# Altium PCB MOTHERBOARD.PcbDoc (part 3 of 4)
Units mm, origin at the board's own origin, x right, y up, seen from the top; angles counter-clockwise.
Board outline 187 x 77 mm, 4 copper layers (Top Copper, Signal Layer 1, Signal Layer 2, Bottom Copper), stack 1.57 mm thick; 275 components, 255 nets, 1182 pads, 1708 vias.
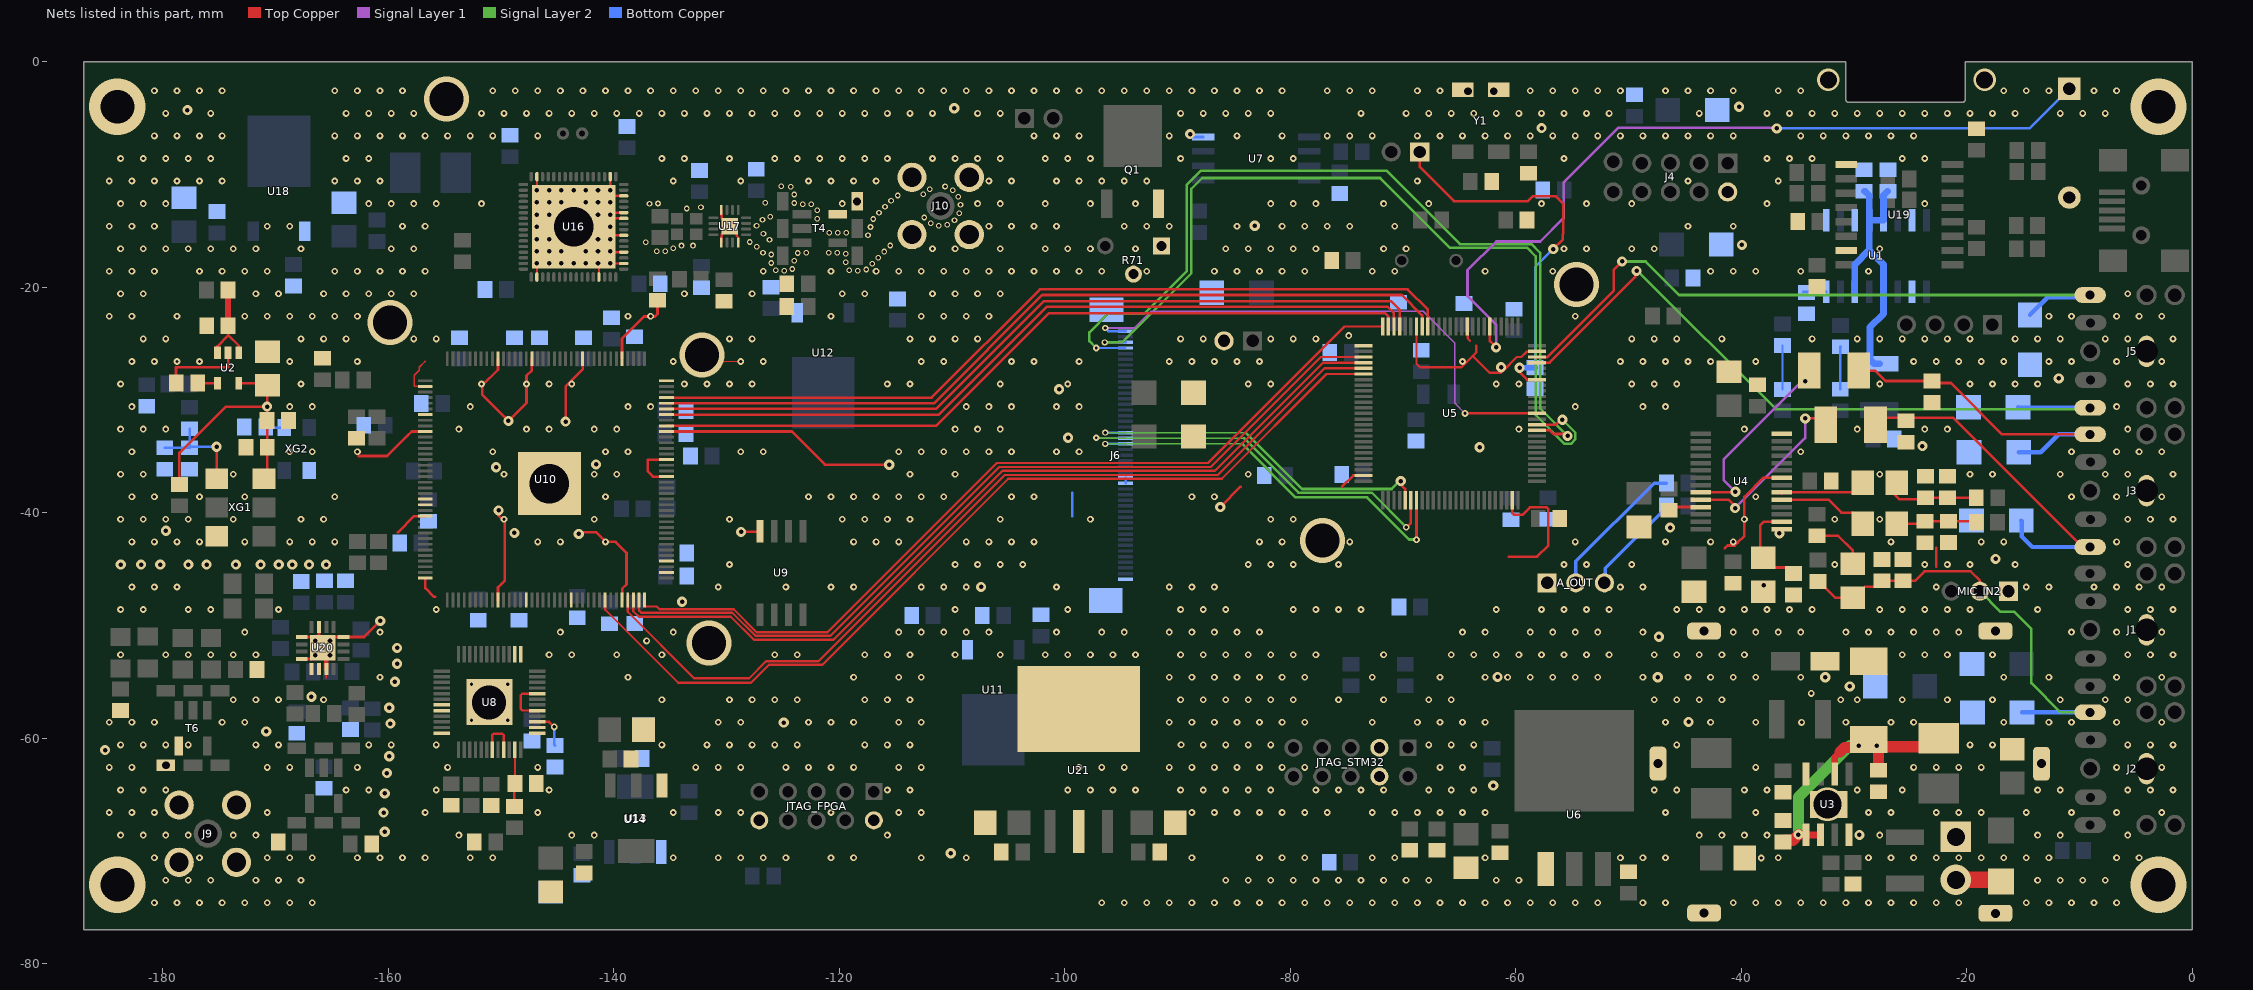
[diagram p5: the nets of this part, all layers, seen from the top]

## Via types
v1: diameter 0.6, hole 0.3, Top Copper to Bottom Copper, tented both sides, 1186 vias
v2: diameter 0.9, hole 0.4, Top Copper to Bottom Copper, tented both sides, 348 vias
v3: diameter 0.5, hole 0.3, Top Copper to Bottom Copper, tented both sides, 73 vias
v4: diameter 0.8, hole 0.4, Top Copper to Bottom Copper, tented both sides, 25 vias
v5: diameter 1, hole 0.7, Top Copper to Bottom Copper, 18 vias
v6: diameter 0.5, hole 0.25, Top Copper to Bottom Copper, tented both sides, 16 vias
v7: diameter 0.55, hole 0.3, Top Copper to Bottom Copper, tented both sides, 13 vias
v8: diameter 0.6, hole 0.25, Top Copper to Bottom Copper, tented both sides, 10 vias
v9: diameter 4, hole 3, Top Copper to Bottom Copper, 6 vias
v10: diameter 5, hole 3, Top Copper to Bottom Copper, 4 vias
v11: diameter 2, hole 1.5, Top Copper to Bottom Copper, 2 vias
v12: diameter 0.7, hole 0.4, Top Copper to Bottom Copper, tented both sides, 2 vias
v13: diameter 3, hole 2.5, Top Copper to Bottom Copper, 1 vias
v14: diameter 3.5, hole 3, Top Copper to Bottom Copper, 1 vias
v15: diameter 0.5, hole 0.2, Top Copper to Bottom Copper, tented both sides, 1 vias
v16: diameter 4, hole 3.5, Top Copper to Bottom Copper, 1 vias
v17: diameter 0.45, hole 0.2, Top Copper to Bottom Copper, tented both sides, 1 vias

## Nets (pads, with @x,y where several pads share a name; then routed paths per layer and width w, separated by ;. In a path a pad name is that pad's centre, name@x,y a point inside that pad or via, vN(x,y) a via of type N, cw(c..) or ccw(c..) an arc to the next point about the centre after c; other vN are vias at no path point) (continued)
FMC_D13: J6.19 U5.55 | length 32.2
  Top Copper w0.23: v2(-70.2,-37.2) -70.2,-37.5 -69.8,-37.9 U5.55@-69.8,-38.9
  Signal Layer 2 w0.15: v7(-96.4,-32.9) -83.95,-32.9
  Signal Layer 2 w0.23: -83.95,-32.9 -78.95,-37.9 -71,-37.9 -70.3,-37.2 v2(-70.2,-37.2)
  Bottom Copper w0.23: v7(-96.4,-32.9) J6.19@-94.6,-32.9
FMC_D14: J6.20 U5.56 | length 35.4
  Top Copper w0.23: v1(-69.7,-41.3) -69.3,-40.9 U5.56@-69.3,-38.9
  Signal Layer 2 w0.15: v8@-96.95,-33.4 -84.1,-33.4
  Signal Layer 2 w0.23: -84.1,-33.4 -79.268,-38.232 -72.768,-38.232 v1(-69.7,-41.3)
  Bottom Copper w0.15: v8@-96.958,-33.392 -96.95,-33.4 J6.20@-94.6,-33.4
  other v8: -97.2,-33.35
FMC_D15: J6.21 U5.57 | length 36.4
  Top Copper w0.23: v1(-68.8,-42.4) U5.57@-68.8,-38.9
  Signal Layer 2 w0.15: v7(-96.4,-33.9) -84.25,-33.9
  Signal Layer 2 w0.23: -84.25,-33.9 -79.513,-38.638 -73.188,-38.638 -69.445,-42.38 -68.82,-42.38 v1(-68.8,-42.4)
  Bottom Copper w0.23: v7(-96.4,-33.9) J6.21@-94.6,-33.9
FMC_NE1: J6.1 U5.88 | length 47.7
  Top Copper w0.23: v1(-64.497,-31.2) U5.88@-58.1,-31.2
  Signal Layer 1 w0.15: v7(-96.4,-23.625) -93.825,-23.625 -92.35,-22.15 -68.215,-22.15 -65.416,-24.949 -65.416,-30.281 v1(-64.497,-31.2)
  Bottom Copper w0.23: v7(-96.4,-23.625) -96.125,-23.9 J6.1@-94.6,-23.9
FMC_NOE: J6.4 U5.85 | length 77.7
  Top Copper w0.23: U5.85@-58.1,-32.7 -56.964,-32.7 -56.641,-33.023 -55.959,-33.023 -55.936,-33 -55.6,-33 v2(-55.4,-33.2)
  Signal Layer 2 w0.23: v8(-97.2,-25.4) -97.815,-24.785 -97.815,-24.006 -96.117,-22.308 -92.883,-22.308 -89.175,-18.6 -89.175,-10.925 -87.925,-9.675 -78.617,-9.675 -71.475,-9.675 -64.958,-16.192 -58.608,-16.192 -57.825,-16.975 -57.825,-30.775 v2(-55.4,-33.2)
  Bottom Copper w0.15: v8@-97.05,-25.4 J6.4@-94.6,-25.4
FMC_NWE: J6.3 U5.86 | length 76.8
  Top Copper w0.23: U5.86@-58.1,-32.2 -56.448,-32.2 -56.009,-31.761 v2(-55.861,-31.761)
  Signal Layer 2 w0.23: v7(-96.45,-24.9) -94.9,-24.9 -88.775,-18.775 -88.775,-11.3 -87.8,-10.325 -72.025,-10.325 -65.826,-16.524 -58.976,-16.524 -58.225,-17.275 -58.225,-31.354 -55.687,-33.892 -55.114,-33.892 -54.708,-33.487 -54.708,-32.913 v2(-55.861,-31.761)
  Bottom Copper w0.23: v7(-96.45,-24.9) J6.3@-94.6,-24.9
FPGA_BUS_D0: U5.22 U10.31 | length 70.8
  Top Copper w0.23: U10.31@-135.3,-30.8 -111.4,-30.8 -101.85,-21.25 -71.05,-21.25 -70.3,-22 U5.22@-70.3,-23.5
FPGA_BUS_D1: U5.23 U10.30 | length 69.9
  Top Copper w0.23: U10.30@-135.3,-31.3 -111.15,-31.3 -101.6,-21.75 -71.35,-21.75 -70.8,-22.3 U5.23@-70.8,-23.5
FPGA_BUS_D2: U5.24 U10.28 | length 69.2
  Top Copper w0.23: U10.28@-135.3,-32.3 -111.4,-32.3 -105.516,-26.416 -101.4,-22.3 -71.6,-22.3 -71.3,-22.6 U5.24@-71.3,-23.5
FPGA_BUS_D3: U5.25 U10.144 | length 78.2
  Top Copper w0.2: U10.144@-137.25,-47.75 -137.25,-48.283 -137.223,-48.31 -136.201,-48.31 -135.938,-48.573 -129.352,-48.573 -127.325,-50.6 -121.025,-50.6 -106.017,-35.592 -87.281,-35.592 -75.189,-23.5 U5.25@-71.8,-23.5
FPGA_BUS_D4: U5.28 U10.143 | length 76.3
  Top Copper w0.2: U10.143@-137.75,-47.75 -137.75,-48.666 -137.541,-48.875 -129.477,-48.875 -127.427,-50.925 -120.775,-50.925 -105.792,-35.942 -87.042,-35.942 -77.3,-26.2 U5.28@-73.5,-26.2
FPGA_BUS_D5: U5.29 U10.142 | length 77
  Top Copper w0.2: U10.142@-138.25,-47.75 -138.25,-48.731 -137.756,-49.225 -129.6,-49.225 -127.55,-51.275 -120.5,-51.275 -105.505,-36.28 -105.492,-36.292 -86.692,-36.292 -86.655,-36.255 -77.1,-26.7 U5.29@-73.5,-26.7
FPGA_BUS_D6: U5.30 U10.141 | length 80.1
  Top Copper w0.2: U10.141@-138.75,-47.75 -138.75,-48.797 -132.872,-54.675 -127.975,-54.675 -126.475,-53.175 -121.825,-53.175 -105.317,-36.667 -86.417,-36.667 -76.95,-27.2 U5.30@-73.5,-27.2
FPGA_BUS_D7: U5.31 U10.137 | length 82.1
  Top Copper w0.2: U10.137@-140.75,-47.75 -140.75,-48.6 -134.275,-55.075 -127.825,-55.075 -126.227,-53.477 -121.477,-53.477 -104.992,-36.992 -86.065,-36.992 -76.773,-27.7 U5.31@-73.5,-27.7
FPGA_CLK: U5.17 U10.33 | length 73.7
  Top Copper w0.23: U10.33@-135.3,-29.8 -111.8,-29.8 -102.2,-20.2 -69.6,-20.2 -67.8,-22 U5.17@-67.8,-23.5
FPGA_SYNC: U5.18 U10.32 | length 72.7
  Top Copper w0.23: U10.32@-135.3,-30.3 -111.6,-30.3 -102,-20.7 -70.1,-20.7 -68.3,-22.5 U5.18@-68.3,-23.5
GND: "13.8V +.1" A_OUT.1 B1.2 C1.2 C2.2 C3.1 C4.1 C5.1 C6.1 C7.1 C8.2 C9.1 C10.1 C11.1 C13.2 C14.2 C15.2 C16.2 C17.2 C19.2 C20.2 C21.1 C22.2 C23.1 C24.2 C27.1 C28.1 C30.1 C31.1 C32.2 C36.1 C37.1 C38.2 C39.2 C40.1 C41.1 C42.1 C43.1 C44.1 C45.1 C46.1 C47.1 C48.1 C49.1 C50.1 C51.2 C52.2 C53.1 C54.2 C56.1 C57.1 C59.1 C60.2 C61.2 C62.2 C63.1 C64.1 C65.2 C66.1 C67.2 C68.1 C69.2 C70.2 C71.1 C72.2 C73.2 C74.2 C75.2 C76.2 C77.2 C78.1 C79.2 C80.2 C81.1 C82.2 C83.1 C84.2 C85.2 C86.2 C87.2 C88.2 C89.1 C90.1 C91.2 C92.1 C93.1 C94.2 C95.2 C97.1 C98.2 C99.2 C100.1 C101.2 C104.1 C108.2 C109.1 C110.1 C112.2 C113.2 C114.2 C115.2 C116.1 C117.1 C118.1 C119.2 C120.2 C121.2 C122.2 C123.1 C124.1 C125.2 C126.2 C135.1 C136.1 C137.1 C1001.1 C1002.2 D1.2 D3.2 D29.2 D30.2 D31.2 D34.2 D35.2 D36.2 D37.2 D38.2 D39.2 D40.2 J1.1 J2.1 J3.1 J4.2 J5.1 J6.27 J6.28 J6.45 J6.46 J6.47 J9.1 J9.2 J9.3 J9.4 J10.1 J10.2 J10.3 J10.4 JTAG_FPGA.2 JTAG_FPGA.10 JTAG_STM32.3 JTAG_STM32.4 MIC_IN2.1 pad.8 PTT_IN.2 Q1.3 R1.1 R4.2 R5.1 R6.1 R12.1 R13.1 R14.1 R15.1 R16.1 R19.2 R22.2 R23.2 R26.2 R27.1 R28.1 R34.1 R35.1 R38.1 R46.1 R48.2 R49.2 R50.2 R56.1 R57.2 R71.1 R71.2 T4.6 T4.10 T6.4 T6.11 U1.2 U1.9 U1.11 U1.15 U2.2 U3.4 U3.8 U3.9 U4.11 U4.15 U4.22 U4.28 U5.10 U5.19 U5.26 U5.49 U5.74 U5.99 U6.1 U7.4 U8.1 U8.2 U8.19 U8.20 U8.24 U8.31 U8.33 U8.37 U8.38 U8.41 U8.44 U8.49 U9.4 U10.2 U10.4 U10.19 U10.22 U10.27 U10.36 U10.41 U10.48 U10.57 U10.63 U10.74 U10.79 U10.82 U10.94 U10.95 U10.97 U10.108 U10.118 U10.123 U10.131 U10.140 U10.145 U11.1 U12.1 U13.1 U14.1 U16.2 U16.4 U16.7 U16.10 U16.11 U16.14 U16.18 U16.31 U16.50 U16.61 U16.65 U17.4 U17.9 U17.12 U17.17 U18.1 U19.9 U19.15 U20.1 U20.4 U20.5 U20.6 U20.7 U20.12 U20.15 U20.17 U21.2 U21.4 XG1.3 XG2.2 Y1.2 Y1.3 | length 250.5
  Top Copper w0.102: v9(-132.175,-26.025) -131.645,-26.555 -128.645,-26.555 v1@-128.55,-26.65
  Top Copper w0.15: -165.475,-54.655 U20.7@-165.475,-53.85 ; -156.719,-26.592 -157.225,-27.098 -157.225,-27.375 -157.675,-27.825 -157.675,-28.75 -157.625,-28.8 U10.74@-156.7,-28.8
  Top Copper w0.2: -150.75,-59.7 -150.65,-59.6 -149.867,-59.6 -149.75,-59.717 U8.33@-149.75,-61.038 ; U16.50@-146.8,-19.1 v2(-146.8,-17.9) ; v2(-146.8,-11.4) U16.31@-146.8,-10.2 ; U8.41@-146.762,-57.55 -148.083,-57.55 -148.225,-57.408 -148.225,-56.167 -148.108,-56.05 U8.44@-146.762,-56.05 ; U16.65@-145.906,-17.006 v2(-146.8,-17.9) ; U16.65@-145.428,-16.528 v2(-146.8,-17.9) ; U16.65@-142.583,-13.388 U16.65@-143.55,-14.354 ; U16.65@-142.3,-13.4 -142.3,-13.131 -141.6,-12.431 -141.494,-12.431 -140.525,-13.4 U16.11@-139.1,-13.4 ; U16.65@-142.04,-16.16 U16.65@-141.696,-16.16 ; U16.65@-141.6,-17.213 -141.6,-16.6 U16.65@-142.8,-15.4 ; U16.65@-141.6,-16.256 -141.346,-16.256 -141.275,-16.327 -141.275,-16.475 U16.65@-140.3,-17.45 ; U16.65@-141.6,-13.388 -142.288,-13.388 U16.65@-142.8,-13.9 ; U16.65@-141.588,-15.388 U16.65@-142.325,-14.65 ; U16.65@-141.346,-17.213 U16.65@-141.346,-16.404 ; U16.65@-141.346,-16.263 U16.65@-141.346,-16.404 ; U16.61@-141.3,-19.1 -141.3,-18.25 -142.41,-17.14 -142.51,-17.14 -143.55,-16.1 -143.55,-15.35 v16(-143.55,-14.65) ; U16.65@-140.8,-11.9 U16.14@-139.1,-11.9 ; v2(-140.3,-17.9) U16.65@-140.3,-17.45 ; U16.18@-140.3,-10.2 -140.3,-11.05 -140.425,-11.175 -140.525,-11.175 -143.55,-14.2 U16.65@-143.55,-14.354 ; U16.2@-139.1,-17.9 -139.95,-17.9 -140.075,-17.775 -140.075,-17.675 U16.65@-140.3,-17.45 ; U16.4@-139.1,-16.9 -140.075,-16.9 -140.622,-16.353 U16.65@-142.325,-14.65 ; U16.7@-139.1,-15.4 -140.525,-15.4 -141.6,-15.4 -142.456,-15.4 U16.65@-142.8,-15.4 ; U16.10@-139.1,-13.9 U16.65@-142.8,-13.9 ; U17.9@-130.45,-16.05 -130.45,-15.576 -130.4,-15.526 -130.4,-15.3 v15(-129.7,-14.6) ; U17.4@-130.45,-13.15 -130.45,-13.624 -130.4,-13.674 -130.4,-13.9 v15(-129.7,-14.6) ; U17.12@-128.95,-16.05 -128.95,-15.6 -129.075,-15.475 -129.075,-15.225 v15(-129.7,-14.6) ; U5.19@-68.8,-23.5 -68.8,-26.8 -68.5,-27.1 -64.8,-27.1 -63.816,-26.116 ; U5.10@-64.3,-23.5 -64.26,-23.541 -64.26,-24.553 -64.053,-24.759 ; -63.5,-25.2 -63.5,-25.8 -63.816,-26.116 ; v2(-61.3,-27.1) v2@-61.05,-27.35 ; U5.99@-58.1,-25.7 -59,-25.7 -59.5,-26.2 -59.9,-26.2 v2@-61.05,-27.35 ; v2(-146.8,-17.9) -144.425,-15.525 v16(-143.55,-14.65) ; v16(-143.55,-14.65) U16.65@-143.55,-14.354 ; v16(-143.55,-14.65) U16.65@-142.8,-15.4 ; v16(-143.55,-14.65) U16.65@-143.1,-14.65 ; v16(-143.55,-14.65) U16.65@-142.8,-13.9 ; U16.65@-143.1,-14.65 -142.583,-14.65 U16.65@-142.325,-14.65 ; U16.65@-143.1,-14.65 U16.65@-141.346,-16.404 ; U16.65@-141.346,-16.404 U16.65@-140.3,-17.45 ; -63.816,-26.116 -62.333,-27.6 -61.3,-27.6 v2@-61.05,-27.35
  Top Copper w0.23: J9.4@-178.886,-66.97 -177.756,-65.84 J9.4@-177.756,-65.26 ; C11.1@-178.792,-28.505 -178.807,-28.491 -178.807,-27.122 -174.187,-27.122 U2.2@-174.187,-25.807 ; U20.4@-167.65,-52.975 -166.775,-52.975 v2(-166.45,-52.65) v2(-166.45,-51.35) ; U20.1@-167.65,-51.025 -166.775,-51.025 U20.17@-166.125,-51.675 ; U20.15@-166.125,-50.15 U20.17@-166.125,-51.675 ; U20.17@-164.825,-52.975 -165.475,-52.325 v2(-166.45,-51.35) ; -162.6,-34.975 -160.075,-34.975 -158.3,-33.2 -157.9,-32.8 U10.82@-156.7,-32.8 ; v2(-160.7,-49.6) -162.125,-51.025 U20.12@-163.95,-51.025 -164.825,-51.025 v2(-165.15,-51.35) v2(-166.45,-51.35) ; -159.125,-41.75 -157.687,-40.312 -156.712,-40.312 U10.97@-156.7,-40.3 ; U10.108@-156.7,-45.8 -156.7,-46.7 -155.95,-47.45 -155.825,-47.45 ; U8.31@-150.75,-61.038 -150.75,-59.7 ; U10.118@-150.25,-47.75 -150.25,-46.615 -149.643,-46.008 -149.643,-40.798 -150.2,-40.241 v2(-150.2,-39.8) ; U10.63@-150.25,-26.35 -150.25,-27.326 -151.649,-28.726 -151.649,-29.539 v2(-149.327,-31.861) -147.722,-30.256 -147.722,-27.851 -147.25,-27.379 U10.57@-147.25,-26.35 ; v2(-144.251,-31.925) -144.251,-28.791 -143.886,-28.426 -142.75,-27.29 U10.48@-142.75,-26.35 ; v2(-143.094,-41.885) -142.962,-41.753 -141.531,-41.753 -140.692,-42.592 -139.829,-42.592 -138.858,-43.563 -138.858,-46.355 -139.25,-46.747 U10.140@-139.25,-47.75 ; U10.19@-135.3,-36.8 -136.509,-36.8 -136.99,-36.319 -136.99,-35.3 U10.22@-135.3,-35.3 ; U10.27@-135.3,-32.8 -124.2,-32.8 -121.25,-35.75 v2(-115.55,-35.75) ; v2(-128.702,-41.703) -127.085,-41.703 U9.4@-127.02,-41.638 ; v2(-86.2,-39.5) -84.4,-37.7 ; -75.4,-37.7 -74.4,-36.7 U5.49@-73.5,-36.7 ; -60.6,-43.9 -58.1,-43.9 -57.1,-42.9 -57.1,-39.694 -57.261,-39.533 -58.74,-39.533 -59.375,-40.168 -60.165,-40.168 -60.3,-40.034 U5.74@-60.3,-38.9 ; C23.1@-46.4,-39.8 -46.1,-39.5 U4.11@-43.6,-39.5 ; -41.467,-43.16 -41.217,-42.91 -40.592,-42.91 -40.347,-42.665 -40.334,-42.665 -39.719,-42.05 -39.719,-40.668 -39.643,-40.592 -39.643,-40.497 -39.719,-40.421 -39.719,-38.602 -38.018,-36.9 U4.22@-36.4,-36.9 ; v2(-36.612,-41.841) -36.612,-41.662 U4.15@-36.4,-41.45 ; -22.7,-44.8 -22.7,-43.1 ; R6.1@-22.3,-36.9 R6.1@-22.25,-36.85 ; v2(-166.45,-51.35) U20.17@-166.125,-51.675
  Top Copper w0.254: U10.41@-139.25,-26.35 -139.25,-24.55 -137.3,-22.6 -136.323,-22.6 -136.1,-22.377 C122.2@-136.1,-21.15
  Top Copper w0.381: U20.7@-165.475,-53.85 U20.17@-165.475,-52.325 ; v2(-146.8,-11.4) U16.65@-146.75,-11.45 ; U16.65@-146.75,-13.55 -146.75,-12.431 U16.65@-146.75,-11.45 ; v16(-143.55,-14.65) -144.706,-13.494 -145.709,-12.491 U16.65@-146.75,-11.45 ; U16.65@-140.8,-11.9 v2(-140.3,-11.4)
  Bottom Copper w0.23: v2@-166.8,-56.174 v2@-166.774,-56.2 ; -99.34,-40.32 -99.34,-38.232 ; J6.28@-94.6,-37.4 J6.27@-94.6,-36.9 ; v2(-88.883,-6.435) -88.628,-6.69 U7.4@-87.7,-6.69
  other v1: -180.719,-74.592 -178.719,-74.592 -176.719,-74.592 -174.719,-74.592 -172.719,-74.592 -170.719,-74.592 -168.719,-74.592 -166.719,-74.592 -96.719,-74.592 -94.719,-74.592 -92.719,-74.592 -90.719,-74.592 -88.719,-74.592 -86.719,-74.592 -84.719,-74.592 -82.719,-74.592 -80.719,-74.592 -78.719,-74.592 -76.719,-74.592 -74.719,-74.592 -72.719,-74.592 -70.719,-74.592 -68.719,-74.592 -66.719,-74.592 -64.719,-74.592 -62.719,-74.592 -60.719,-74.592 -58.719,-74.592 -56.719,-74.592 -54.719,-74.592 -52.719,-74.592 -48.719,-74.592 -46.719,-74.592 -40.719,-74.592 -38.719,-74.592 -36.719,-74.592 -34.719,-74.592 -32.719,-74.592 -30.719,-74.592 -28.719,-74.592 -26.719,-74.592 -24.719,-74.592 -22.719,-74.592 -20.719,-74.592 -14.719,-74.592 -12.719,-74.592 -10.719,-74.592 -8.719,-74.592 -6.719,-74.592 -179.719,-72.592 -177.719,-72.592 -175.719,-72.592 -171.719,-72.592 -169.719,-72.592 -167.719,-72.592 -85.719,-72.592 -83.719,-72.592 -81.719,-72.592 -79.719,-72.592 -77.719,-72.592 -75.719,-72.592 -73.719,-72.592 -71.719,-72.592 -69.719,-72.592 -67.719,-72.592 -61.719,-72.592 -59.719,-72.592 -13.719,-72.592 -11.719,-72.592 -9.719,-72.592 -7.719,-72.592 -38.225,-70.625 -180.719,-70.592 -176.719,-70.592 -170.719,-70.592 -168.719,-70.592 -166.719,-70.592 -162.719,-70.592 -160.719,-70.592 -158.719,-70.592 -156.719,-70.592 -152.719,-70.592 -150.719,-70.592 -134.719,-70.592 -130.719,-70.592 -128.719,-70.592 -126.719,-70.592 -124.719,-70.592 -120.719,-70.592 -118.719,-70.592 -112.719,-70.592 -108.719,-70.592 -88.719,-70.592 -82.719,-70.592 -80.719,-70.592 -78.719,-70.592 -72.719,-70.592 -70.719,-70.592 -62.719,-70.592 -50.719,-70.592 -48.719,-70.592 -46.719,-70.592 -36.719,-70.592 -28.719,-70.592 -26.719,-70.592 -24.719,-70.592 -22.719,-70.592 -20.719,-70.592 -18.719,-70.592 -16.719,-70.592 -14.719,-70.592 -12.719,-70.592 -6.719,-70.592 -4.719,-70.592 -183.719,-68.592 -181.719,-68.592 -179.719,-68.592 -177.719,-68.592 -173.719,-68.592 -171.719,-68.592 -153.719,-68.592 -143.719,-68.592 -141.719,-68.592 -115.719,-68.592 -43.719,-68.592 -41.719,-68.592 -39.719,-68.592 -37.719,-68.592 -27.719,-68.592 -13.719,-68.592 -11.719,-68.592 -5.719,-68.592 -184.719,-66.592 -182.719,-66.592 -180.719,-66.592 -170.719,-66.592 -156.719,-66.592 -146.719,-66.592 -134.719,-66.592 -130.719,-66.592 -128.719,-66.592 -120.719,-66.592 -114.719,-66.592 -112.719,-66.592 -88.719,-66.592 -86.719,-66.592 -84.719,-66.592 -82.719,-66.592 -80.719,-66.592 -78.719,-66.592 -76.719,-66.592 -72.719,-66.592 -70.719,-66.592 -68.719,-66.592 -66.719,-66.592 -64.719,-66.592 -62.719,-66.592 -46.719,-66.592 -38.719,-66.592 -28.719,-66.592 -26.719,-66.592 -22.719,-66.592 -20.719,-66.592 -18.719,-66.592 -14.719,-66.592 -10.719,-66.592 -6.719,-66.592 -2.719,-66.592 -183.719,-64.592 -181.719,-64.592 -179.719,-64.592 -163.719,-64.592 -161.719,-64.592 -155.719,-64.592 -145.719,-64.592 -115.719,-64.592 -113.719,-64.592 -99.719,-64.592 -97.719,-64.592 -95.719,-64.592 -93.719,-64.592 -89.719,-64.592 -87.719,-64.592 -85.719,-64.592 -83.719,-64.592 -81.719,-64.592 -77.719,-64.592 -75.719,-64.592 -73.719,-64.592 -71.719,-64.592 -67.719,-64.592 -65.719,-64.592 -63.719,-64.592 -47.719,-64.592 -45.719,-64.592 -39.719,-64.592 -37.719,-64.592 -29.719,-64.592 -25.719,-64.592 -13.719,-64.592 -11.719,-64.592 -5.719,-64.592 -3.719,-64.592 -1.719,-64.592 -184.719,-62.592 -182.719,-62.592 -170.719,-62.592 -168.719,-62.592 -162.719,-62.592 -154.719,-62.592 -146.719,-62.592 -132.719,-62.592 -130.719,-62.592 -128.719,-62.592 -124.719,-62.592 -122.719,-62.592 -120.719,-62.592 -118.719,-62.592 -114.719,-62.592 -112.719,-62.592 -98.719,-62.592 -96.719,-62.592 -94.719,-62.592 -90.719,-62.592 -88.719,-62.592 -86.719,-62.592 -84.719,-62.592 -82.719,-62.592 -80.719,-62.592 -78.719,-62.592 -66.719,-62.592 -64.719,-62.592 -38.719,-62.592 -24.719,-62.592 -22.719,-62.592 -20.719,-62.592 -18.719,-62.592 -6.719,-62.592 -2.719,-62.592 -183.719,-60.592 -181.719,-60.592 -179.719,-60.592 -177.719,-60.592 -171.719,-60.592 -169.719,-60.592 -161.719,-60.592 -159.719,-60.592 -155.719,-60.592 -135.719,-60.592 -131.719,-60.592 -129.719,-60.592 -127.719,-60.592 -125.719,-60.592 -123.719,-60.592 -117.719,-60.592 -115.719,-60.592 -113.719,-60.592 -89.675,-60.575 -87.719,-60.592 -85.719,-60.592 -83.719,-60.592 -81.719,-60.592 -67.719,-60.592 -65.719,-60.592 -63.719,-60.592 -45.719,-60.592 -19.719,-60.592 -17.719,-60.592 -5.719,-60.592 -3.719,-60.592 -1.719,-60.592 -184.719,-58.592 -182.719,-58.592 -180.719,-58.592 -174.719,-58.592 -172.719,-58.592 -130.719,-58.592 -128.719,-58.592 -122.719,-58.592 -120.719,-58.592 -118.719,-58.592 -114.719,-58.592 -112.719,-58.592 -90.719,-58.592 -88.719,-58.592 -86.719,-58.592 -84.719,-58.592 -82.719,-58.592 -80.719,-58.592 -78.719,-58.592 -72.719,-58.592 -68.719,-58.592 -66.719,-58.592 -64.719,-58.592 -62.719,-58.592 -46.719,-58.592 -42.719,-58.592 -38.719,-58.592 -34.65,-58.6 -30.719,-58.592 -26.719,-58.592 -24.719,-58.592 -16.719,-58.592 -12.719,-58.592 -10.719,-58.592 -6.719,-58.592 -2.719,-58.592 -173.719,-56.592 -171.719,-56.592 -169.719,-56.592 -165.719,-56.592 -135.719,-56.592 -129.719,-56.592 -127.719,-56.592 -125.719,-56.592 -123.719,-56.592 -117.719,-56.592 -115.719,-56.592 -113.719,-56.592 -89.719,-56.592 -87.719,-56.592 -85.719,-56.592 -83.719,-56.592 -81.719,-56.592 -79.719,-56.592 -75.719,-56.592 -71.719,-56.592 -67.719,-56.592 -65.719,-56.592 -47.719,-56.592 -45.719,-56.592 -43.719,-56.592 -41.719,-56.592 -31.175,-56.6 -29.719,-56.592 -25.719,-56.592 -21.719,-56.592 -17.719,-56.592 -11.719,-56.592 -7.719,-56.592 -5.719,-56.592 -33.8,-56.025 -160.719,-54.592 -138.719,-54.592 -118.719,-54.592 -114.719,-54.592 -112.719,-54.592 -90.719,-54.592 -88.719,-54.592 -86.719,-54.592 -84.719,-54.592 -82.719,-54.592 -80.719,-54.592 -78.719,-54.592 -72.719,-54.592 -66.719,-54.592 -62.719,-54.592 -60.719,-54.592 -58.719,-54.592 -56.719,-54.592 -54.719,-54.592 -52.719,-54.592 -48.719,-54.592 -44.719,-54.592 -42.719,-54.592 -40.719,-54.592 -38.719,-54.592 -34.719,-54.592 -16.719,-54.592 -12.719,-54.592 -6.719,-54.592 -2.719,-54.592 -183.719,-52.592 -179.719,-52.592 -177.719,-52.592 -175.719,-52.592 -173.719,-52.592 -171.719,-52.592 -145.719,-52.592 -143.719,-52.592 -139.719,-52.592 -135.719,-52.592 -125.719,-52.592 -123.719,-52.592 -117.719,-52.592 -115.719,-52.592 -113.719,-52.592 -109.719,-52.592 -105.719,-52.592 -101.719,-52.592 -99.719,-52.592 -97.719,-52.592 -95.719,-52.592 -93.719,-52.592 -89.719,-52.592 -87.719,-52.592 -85.719,-52.592 -83.719,-52.592 -81.719,-52.592 -79.719,-52.592 -77.719,-52.592 -71.719,-52.592 -65.719,-52.592 -63.719,-52.592 -61.719,-52.592 -59.719,-52.592 -57.719,-52.592 -55.719,-52.592 -53.719,-52.592 -51.719,-52.592 -47.719,-52.592 -45.719,-52.592 -43.719,-52.592 -41.719,-52.592 -39.719,-52.592 -25.719,-52.592 -23.719,-52.592 -21.719,-52.592 -17.719,-52.592 -5.719,-52.592 -3.719,-52.592 -1.719,-52.592 -137.075,-51.375 -172.719,-50.592 -160.719,-50.592 -144.719,-50.592 -134.719,-50.592 -114.719,-50.592 -112.719,-50.592 -110.719,-50.592 -108.719,-50.592 -106.719,-50.592 -100.719,-50.592 -96.719,-50.592 -94.719,-50.592 -90.719,-50.592 -88.719,-50.592 -86.719,-50.592 -84.719,-50.592 -82.719,-50.592 -64.719,-50.592 -62.719,-50.592 -58.719,-50.592 -56.719,-50.592 -54.719,-50.592 -52.719,-50.592 -48.719,-50.592 -40.719,-50.592 -38.719,-50.592 -36.719,-50.592 -34.719,-50.592 -30.719,-50.592 -28.719,-50.592 -26.719,-50.592 -24.719,-50.592 -22.719,-50.592 -20.719,-50.592 -10.719,-50.592 -6.719,-50.592 -2.719,-50.592 -183.719,-48.592 -181.719,-48.592 -177.719,-48.592 -175.719,-48.592 -169.719,-48.592 -155.719,-48.592 -109.719,-48.592 -99.719,-48.592 -89.719,-48.592 -87.719,-48.592 -85.719,-48.592 -79.719,-48.592 -77.719,-48.592 -75.719,-48.592 -73.719,-48.592 -61.719,-48.592 -57.719,-48.592 -55.719,-48.592 -53.719,-48.592 -51.719,-48.592 -45.719,-48.592 -43.719,-48.592 -41.719,-48.592 -39.719,-48.592 -37.719,-48.592 -35.719,-48.592 -33.719,-48.592 -27.719,-48.592 -25.719,-48.592 -23.719,-48.592 -21.719,-48.592 -19.719,-48.592 -13.719,-48.592 -5.719,-48.592 -3.719,-48.592 -1.719,-48.592 -182.719,-46.592 -180.719,-46.592 -178.719,-46.592 -130.719,-46.592 -124.719,-46.592 -120.719,-46.592 -118.719,-46.592 -112.719,-46.592 -110.719,-46.592 -108.719,-46.592 -100.719,-46.592 -90.719,-46.592 -88.719,-46.592 -86.719,-46.592 -50.719,-46.592 -48.719,-46.592 -22.719,-46.592 -14.719,-46.592 -12.719,-46.592 -8.719,-46.592 -6.719,-46.592 -4.719,-46.592 -2.719,-46.592 -129.719,-44.592 -109.719,-44.592 -107.719,-44.592 -105.719,-44.592 -103.719,-44.592 -83.719,-44.592 -81.719,-44.592 -79.719,-44.592 -75.719,-44.592 -55.719,-44.592 -53.719,-44.592 -49.719,-44.592 -31.719,-44.592 -23.719,-44.592 -21.719,-44.592 -19.719,-44.592 -15.719,-44.592 -5.719,-44.592 -182.719,-42.592 -180.719,-42.592 -178.719,-42.592 -176.719,-42.592 -172.719,-42.592 -168.719,-42.592 -166.719,-42.592 -164.719,-42.592 -146.719,-42.592 -144.719,-42.592 -140.719,-42.592 -118.719,-42.592 -116.719,-42.592 -114.719,-42.592 -108.719,-42.592 -106.719,-42.592 -104.719,-42.592 -102.719,-42.592 -82.719,-42.592 -80.719,-42.592 -74.719,-42.592 -54.719,-42.592 -46.719,-42.592 -42.719,-42.592 -40.719,-42.592 -26.719,-42.592 -18.719,-42.592 -16.719,-42.592 -6.719,-42.592 -183.719,-40.592 -181.719,-40.592 -179.719,-40.592 -177.719,-40.592 -173.719,-40.592 -167.719,-40.592 -165.719,-40.592 -149.719,-40.592 -141.719,-40.592 -129.719,-40.592 -119.719,-40.592 -117.719,-40.592 -115.719,-40.592 -113.719,-40.592 -105.719,-40.592 -97.719,-40.592 -81.719,-40.592 -79.719,-40.592 -39.719,-40.592 -31.719,-40.592 -27.719,-40.592 -5.719,-40.592 -3.719,-40.592 -1.719,-40.592 -182.719,-38.592 -180.719,-38.592 -176.719,-38.592 -172.719,-38.592 -164.719,-38.592 -140.719,-38.592 -122.719,-38.592 -120.719,-38.592 -118.719,-38.592 -116.719,-38.592 -114.719,-38.592 -112.719,-38.592 -110.719,-38.592 -104.719,-38.592 -102.719,-38.592 -88.719,-38.592 -86.719,-38.592 -38.719,-38.592 -10.719,-38.592 -6.719,-38.592 -2.719,-38.592 -183.719,-36.592 -181.719,-36.592 -173.719,-36.592 -149.719,-36.592 -141.719,-36.592 -139.719,-36.592 -113.719,-36.592 -109.719,-36.592 -83.719,-36.592 -27.719,-36.592 -19.719,-36.592 -17.719,-36.592 -11.719,-36.592 -7.719,-36.592 -5.719,-36.592 -1.719,-36.592 -182.719,-34.592 -168.719,-34.592 -166.719,-34.592 -162.719,-34.592 -150.719,-34.592 -140.719,-34.592 -138.719,-34.592 -128.719,-34.592 -126.719,-34.592 -114.719,-34.592 -112.719,-34.592 -110.719,-34.592 -108.719,-34.592 -106.719,-34.592 -104.719,-34.592 -100.719,-34.592 -98.719,-34.592 -34.719,-34.592 -10.719,-34.592 -6.719,-34.592 -4.719,-34.592 -2.719,-34.592 -183.719,-32.592 -181.719,-32.592 -179.719,-32.592 -153.719,-32.592 -147.719,-32.592 -145.719,-32.592 -141.719,-32.592 -139.719,-32.592 -109.719,-32.592 -107.719,-32.592 -105.719,-32.592 -59.719,-32.592 -39.719,-32.592 -29.719,-32.592 -23.719,-32.592 -21.719,-32.592 -5.719,-32.592 -182.719,-30.592 -168.719,-30.592 -166.719,-30.592 -152.719,-30.592 -138.719,-30.592 -136.719,-30.592 -108.719,-30.592 -106.719,-30.592 -104.719,-30.592 -100.719,-30.592 -98.719,-30.592 -54.719,-30.592 -48.719,-30.592 -46.719,-30.592 -6.719,-30.592 -183.719,-28.592 -167.719,-28.592 -151.719,-28.592 -147.719,-28.592 -145.719,-28.592 -143.719,-28.592 -133.719,-28.592 -131.719,-28.592 -129.719,-28.592 -127.719,-28.592 -115.719,-28.592 -113.719,-28.592 -105.719,-28.592 -99.719,-28.592 -83.719,-28.592 -81.719,-28.592 -61.719,-28.592 -59.719,-28.592 -49.719,-28.592 -47.719,-28.592 -45.719,-28.592 -27.719,-28.592 -19.719,-28.592 -17.719,-28.592 -15.719,-28.592 -13.719,-28.592 -5.719,-28.592 -3.719,-28.592 -1.719,-28.592 -182.719,-26.592 -180.719,-26.592 -178.719,-26.592 -176.719,-26.592 -168.719,-26.592 -162.719,-26.592 -134.719,-26.592 -128.719,-26.592 -126.719,-26.592 -112.719,-26.592 -110.719,-26.592 -104.719,-26.592 -102.719,-26.592 -98.719,-26.592 -90.719,-26.592 -88.719,-26.592 -86.719,-26.592 -84.719,-26.592 -82.719,-26.592 -64.719,-26.592 -50.719,-26.592 -48.719,-26.592 -46.719,-26.592 -44.719,-26.592 -42.719,-26.592 -38.719,-26.592 -24.719,-26.592 -22.719,-26.592 -20.719,-26.592 -18.719,-26.592 -16.719,-26.592 -12.719,-26.592 -10.719,-26.592 -6.719,-26.592 -2.719,-26.592 -181.719,-24.592 -179.719,-24.592 -167.719,-24.592 -165.719,-24.592 -163.719,-24.592 -157.719,-24.592 -155.719,-24.592 -129.719,-24.592 -127.719,-24.592 -113.719,-24.592 -111.719,-24.592 -109.719,-24.592 -107.719,-24.592 -89.719,-24.592 -87.719,-24.592 -81.719,-24.592 -79.719,-24.592 -77.719,-24.592 -49.719,-24.592 -47.719,-24.592 -45.719,-24.592 -41.719,-24.592 -33.719,-24.592 -29.719,-24.592 -27.719,-24.592 -25.719,-24.592 -23.719,-24.592 -21.719,-24.592 -19.719,-24.592 -15.719,-24.592 -13.719,-24.592 -11.719,-24.592 -7.719,-24.592 -5.719,-24.592 -1.719,-24.592 -74.8,-24.3 -184.719,-22.592 -182.719,-22.592 -178.719,-22.592 -172.719,-22.592 -170.719,-22.592 -168.719,-22.592 -166.719,-22.592 -164.719,-22.592 -162.719,-22.592 -138.719,-22.592 -136.719,-22.592 -120.719,-22.592 -112.719,-22.592 -110.719,-22.592 -108.719,-22.592 -106.719,-22.592 -54.719,-22.592 -12.719,-22.592 -10.719,-22.592 -6.719,-22.592 -4.719,-22.592 -2.719,-22.592 -183.719,-20.592 -181.719,-20.592 -171.719,-20.592 -169.719,-20.592 -165.719,-20.592 -163.719,-20.592 -161.719,-20.592 -159.719,-20.592 -157.719,-20.592 -133.719,-20.592 -127.719,-20.592 -119.719,-20.592 -117.719,-20.592 -111.719,-20.592 -109.719,-20.592 -107.719,-20.592 -105.719,-20.592 -5.719,-20.592 -184.719,-18.592 -182.719,-18.592 -180.719,-18.592 -176.719,-18.592 -174.719,-18.592 -172.719,-18.592 -170.719,-18.592 -164.719,-18.592 -162.719,-18.592 -160.719,-18.592 -158.719,-18.592 -156.719,-18.592 -126.719,-18.592 -120.719,-18.592 -116.719,-18.592 -114.719,-18.592 -112.719,-18.592 -110.719,-18.592 -108.719,-18.592 -106.719,-18.592 -104.719,-18.592 -102.719,-18.592 -100.719,-18.592 -98.719,-18.592 -96.719,-18.592 -92.719,-18.592 -86.719,-18.592 -84.719,-18.592 -82.719,-18.592 -80.719,-18.592 -78.719,-18.592 -72.719,-18.592 -70.719,-18.592 -62.719,-18.592 -56.719,-18.592 -42.719,-18.592 -40.719,-18.592 -38.719,-18.592 -34.719,-18.592 -28.719,-18.592 -183.719,-16.592 -181.719,-16.592 -179.719,-16.592 -177.719,-16.592 -175.719,-16.592 -173.719,-16.592 -171.719,-16.592 -167.719,-16.592 -159.719,-16.592 -157.719,-16.592 -111.719,-16.592 -109.719,-16.592 -105.719,-16.592 -101.719,-16.592 -99.719,-16.592 -97.719,-16.592 -93.719,-16.592 -85.719,-16.592 -83.719,-16.592 -81.719,-16.592 -79.719,-16.592 -77.719,-16.592 -71.719,-16.592 -69.719,-16.592 -55.719,-16.592 -53.719,-16.592 -49.719,-16.592 -47.719,-16.592 -27.719,-16.592 -184.719,-14.592 -182.719,-14.592 -180.719,-14.592 -170.719,-14.592 -168.719,-14.592 -158.719,-14.592 -156.719,-14.592 -106.719,-14.592 -104.719,-14.592 -102.719,-14.592 -100.719,-14.592 -94.719,-14.592 -92.719,-14.592 -90.719,-14.592 -84.719,-14.592 -80.719,-14.592 -78.719,-14.592 -76.719,-14.592 -74.719,-14.592 -70.719,-14.592 -44.719,-14.592 -40.719,-14.592 -183.719,-12.592 -181.719,-12.592 -179.719,-12.592 -161.719,-12.592 -159.719,-12.592 -157.719,-12.592 -155.719,-12.592 -151.719,-12.592 -119.719,-12.592 -107.719,-12.592 -105.719,-12.592 -101.719,-12.592 -97.719,-12.592 -93.719,-12.592 -81.719,-12.592 -79.719,-12.592 -77.719,-12.592 -71.719,-12.592 -67.719,-12.592 -57.719,-12.592 -53.719,-12.592 -49.719,-12.592 -37.719,-12.592 -23.719,-12.592 -184.719,-10.592 -182.719,-10.592 -180.719,-10.592 -178.719,-10.592 -176.719,-10.592 -174.719,-10.592 -164.719,-10.592 -162.719,-10.592 -160.719,-10.592 -134.719,-10.592 -128.719,-10.592 -122.719,-10.592 -120.719,-10.592 -118.719,-10.592 -116.719,-10.592 -106.719,-10.592 -104.719,-10.592 -100.719,-10.592 -98.719,-10.592 -96.719,-10.592 -94.719,-10.592 -92.719,-10.592 -68.719,-10.592 -44.719,-10.592 -36.719,-10.592 -183.719,-8.592 -181.719,-8.592 -179.719,-8.592 -177.719,-8.592 -175.719,-8.592 -163.719,-8.592 -161.719,-8.592 -135.719,-8.592 -133.719,-8.592 -129.719,-8.592 -125.719,-8.592 -123.719,-8.592 -121.719,-8.592 -119.719,-8.592 -117.719,-8.592 -115.719,-8.592 -111.719,-8.592 -109.719,-8.592 -107.719,-8.592 -105.719,-8.592 -101.719,-8.592 -99.719,-8.592 -97.719,-8.592 -89.719,-8.592 -81.719,-8.592 -79.719,-8.592 -55.719,-8.592 -37.719,-8.592 -35.719,-8.592 -33.719,-8.592 -25.719,-8.592 -23.719,-8.592 -180.719,-6.592 -178.719,-6.592 -176.719,-6.592 -174.719,-6.592 -164.719,-6.592 -162.719,-6.592 -160.719,-6.592 -158.719,-6.592 -156.719,-6.592 -154.719,-6.592 -152.719,-6.592 -150.719,-6.592 -146.719,-6.592 -102.719,-6.592 -100.719,-6.592 -98.719,-6.592 -90.719,-6.592 -84.719,-6.592 -80.719,-6.592 -76.719,-6.592 -74.719,-6.592 -72.719,-6.592 -68.719,-6.592 -66.719,-6.592 -64.719,-6.592 -62.719,-6.592 -60.719,-6.592 -58.719,-6.592 -56.719,-6.592 -54.719,-6.592 -52.719,-6.592 -50.719,-6.592 -48.719,-6.592 -46.719,-6.592 -44.719,-6.592 -42.719,-6.592 -40.719,-6.592 -34.719,-6.592 -32.719,-6.592 -30.719,-6.592 -28.719,-6.592 -26.719,-6.592 -24.719,-6.592 -179.719,-4.592 -175.719,-4.592 -163.719,-4.592 -161.719,-4.592 -159.719,-4.592 -157.719,-4.592 -151.719,-4.592 -149.719,-4.592 -147.719,-4.592 -145.719,-4.592 -143.719,-4.592 -141.719,-4.592 -139.719,-4.592 -137.719,-4.592 -135.719,-4.592 -133.719,-4.592 -131.719,-4.592 -129.719,-4.592 -127.719,-4.592 -125.719,-4.592 -123.719,-4.592 -121.719,-4.592 -119.719,-4.592 -117.719,-4.592 -115.719,-4.592 -113.719,-4.592 -111.719,-4.592 -107.719,-4.592 -105.719,-4.592 -89.719,-4.592 -87.719,-4.592 -85.719,-4.592 -83.719,-4.592 -81.719,-4.592 -73.719,-4.592 -69.719,-4.592 -67.719,-4.592 -65.719,-4.592 -63.719,-4.592 -61.719,-4.592 -59.719,-4.592 -57.719,-4.592 -55.719,-4.592 -53.719,-4.592 -51.719,-4.592 -43.719,-4.592 -37.719,-4.592 -35.719,-4.592 -33.719,-4.592 -31.719,-4.592 -29.719,-4.592 -27.719,-4.592 -25.719,-4.592 -23.719,-4.592 -21.719,-4.592 -19.719,-4.592 -17.719,-4.592 -15.719,-4.592 -11.719,-4.592 -9.719,-4.592 -7.719,-4.592 -180.719,-2.592 -178.719,-2.592 -176.719,-2.592 -174.719,-2.592 -164.719,-2.592 -162.719,-2.592 -160.719,-2.592 -158.719,-2.592 -150.719,-2.592 -148.719,-2.592 -146.719,-2.592 -144.719,-2.592 -142.719,-2.592 -140.719,-2.592 -138.719,-2.592 -136.719,-2.592 -134.719,-2.592 -132.719,-2.592 -130.719,-2.592 -128.719,-2.592 -126.719,-2.592 -124.719,-2.592 -122.719,-2.592 -120.719,-2.592 -118.719,-2.592 -116.719,-2.592 -114.719,-2.592 -112.719,-2.592 -110.719,-2.592 -108.719,-2.592 -106.719,-2.592 -104.719,-2.592 -102.719,-2.592 -100.719,-2.592 -98.719,-2.592 -96.719,-2.592 -94.719,-2.592 -92.719,-2.592 -90.719,-2.592 -88.719,-2.592 -86.719,-2.592 -84.719,-2.592 -82.719,-2.592 -80.719,-2.592 -76.719,-2.592 -74.719,-2.592 -72.719,-2.592 -68.719,-2.592 -66.719,-2.592 -58.719,-2.592 -56.719,-2.592 -54.719,-2.592 -52.719,-2.592 -50.719,-2.592 -46.719,-2.592 -44.719,-2.592 -42.719,-2.592 -40.719,-2.592 -36.719,-2.592 -34.719,-2.592 -16.719,-2.592 -14.719,-2.592 -12.719,-2.592 -8.719,-2.592 -6.719,-2.592
  other v2: -110.1,-70.2 -29.525,-68.575 -160.3,-68.3 -160.4,-66.6 -160.3,-64.9 -62,-64.2 -160.1,-63.1 -159.9,-61.6 -185.1,-61.05 -170.8,-59.4 -159.8,-58.7 -124.907,-58.62 -44.675,-58.55 -159.9,-57.3 -166.8,-56.325 -30.375,-55.4 -159.4,-55 -47.4,-54.6 -32.55,-54.6 -61.616,-54.56 -159.2,-53.4 -165.15,-52.65 -159.2,-52 -47.3,-51 -133.928,-47.896 -107.415,-46.59 -38.025,-46.45 -183.7,-44.6 -181.9,-44.6 -180.2,-44.6 -177.7,-44.6 -176.1,-44.6 -173.5,-44.6 -171.3,-44.6 -169.7,-44.6 -168.5,-44.6 -167,-44.6 -165.5,-44.6 -17.45,-44.1 -148.8,-41.8 -179.7,-41.6 -46.316,-41.317 -150.42,-35.974 -141.552,-35.717 -63.2,-34.2 -23.934,-34.094 -99.7,-33.35 -100.5,-29.05 -11.85,-28.1 -145.717,-17.9 -144.633,-17.9 -143.55,-17.9 -142.467,-17.9 -141.383,-17.9 -146.8,-16.817 -145.717,-16.817 -144.633,-16.817 -142.467,-16.817 -141.383,-16.817 -140.3,-16.817 -39.95,-16.25 -146.8,-15.733 -145.717,-15.733 -141.383,-15.733 -140.3,-15.733 -146.8,-14.65 -140.3,-14.65 -83.14,-14.557 -146.8,-13.567 -145.717,-13.567 -141.383,-13.567 -140.3,-13.567 -146.8,-12.483 -145.717,-12.483 -144.633,-12.483 -142.467,-12.483 -141.383,-12.483 -140.3,-12.483 -145.717,-11.4 -144.633,-11.4 -143.55,-11.4 -142.467,-11.4 -141.383,-11.4 -57.7,-5.9 -177.8,-4.3 -109.791,-4.13 -40.2,-4
  other v3: -152.6,-58.425 -149.4,-58.425 -152.6,-55.225 -149.4,-55.225 -124.882,-18.539 -118.354,-18.539 -125.636,-18.512 -119.107,-18.493 -117.608,-18.436 -124.143,-18.392 -117.065,-17.912 -126.014,-17.859 -119.414,-17.804 -123.986,-17.655 -116.532,-17.379 -126.014,-17.105 -119.414,-17.05 -123.666,-16.972 -122.912,-16.964 -120.917,-16.964 -120.163,-16.964 -126.753,-16.956 -115.998,-16.846 -136.16,-16.814 -135.406,-16.814 -134.704,-16.539 -127.296,-16.434 -133.984,-16.314 -132.961,-16.314 -115.467,-16.311 -137.164,-16.023 -127.911,-15.996 -126.18,-15.791 -117.44,-15.392 -126.713,-15.257 -120.881,-15.176 -120.127,-15.176 -119.373,-15.176 -117.224,-14.67 -127.322,-14.564 -111.162,-14.558 -110.414,-14.466 -111.881,-14.331 -109.771,-14.071 -126.795,-14.025 -116.987,-13.954 -121.954,-13.923 -112.439,-13.824 -126.094,-13.747 -109.357,-13.442 -116.461,-13.414 -121.951,-13.169 -133.511,-13.029 -132.255,-12.911 -115.928,-12.88 -109.234,-12.698 -136.815,-12.619 -123.239,-12.636 -122.485,-12.636 -136.062,-12.586 -123.986,-12.538 -126.547,-12.503 -115.395,-12.347 -109.435,-11.971 -114.809,-11.872 -123.986,-11.784 -112.553,-11.776 -109.927,-11.4 -111.959,-11.313 -124.303,-11.1 -110.607,-11.073 -125.14,-11.061
  other v5: -179.7,-62.4 -118.4,-12.4 -64.25,-2.632 -61.95,-2.632
  other v9: -131.55,-51.55 -77.15,-42.475 -159.825,-23.125 -54.6,-19.775 -154.825,-3.325
  other v10: -184,-73 -3,-73 -184,-4 -3,-4
  other v11: -32.275,-1.625 -18.425,-1.625
  other v13: -32.365,-65.854
  other v14: -151.05,-56.825
KEY_IN_DASH: D34.1 J5.3 U5.97 | length 63.6
  Top Copper w0.23: U5.97@-58.1,-26.7 -57.008,-26.7 -49.415,-19.107 -49.415,-18.689 v2(-49.287,-18.56)
  Signal Layer 2 w0.23: v2(-49.287,-18.56) -49.185,-18.56 -36.934,-30.812 -9.762,-30.812 J5.3@-9.65,-30.7
  Bottom Copper w0.381: D34.1@-15.45,-30.65 -15.4,-30.7 J5.3@-9.06,-30.7
KEY_IN_DOT: D35.1 J5.2 U5.98 | length 60.4
  Top Copper w0.23: U5.98@-58.1,-26.2 -57.2,-26.2 -51.3,-20.3 -51.3,-18.45 v2(-50.575,-17.725)
  Signal Layer 2 w0.23: v2(-50.575,-17.725) -48.484,-17.725 -45.509,-20.7 J5.2@-9.65,-20.7
  Bottom Copper w0.381: D35.1@-14.4,-22.475 -14.4,-22.45 -13.516,-21.565 -13.491,-21.565 -12.816,-20.891 -9.251,-20.891 J5.2@-9.06,-20.7
"Net13.8V +_2": "13.8V +.2" D1001.1 | length 4.1
  Top Copper w1.5: -20.975,-72.555 -17.095,-72.555 D1001.1@-16.95,-72.7
NetA_OUT_2: A_OUT.2 C1003.2 | length 12.8
  Bottom Copper w0.3: A_OUT.2@-54.675,-46.225 -54.675,-44.325 -47.725,-37.375 C1003.2@-46.625,-37.375
NetA_OUT_3: A_OUT.3 C1004.2 | length 9.1
  Bottom Copper w0.3: A_OUT.3@-52.135,-46.225 -52.05,-46.14 -52.05,-44.925 -46.625,-39.5 C1004.2@-46.625,-39.4
NetB1_1: B1.1 U5.6 | length 72.1
  Top Copper w0.23: U5.6@-62.3,-23.5 -62.3,-24.781 v2(-61.74,-25.34)
  Signal Layer 1 w0.23: v2(-61.74,-25.34) -61.74,-23.333 -64.275,-20.798 -64.275,-18.5 -61.726,-15.951 -57.826,-15.951 -55.75,-13.875 -55.75,-10.7 -50.925,-5.875 -36.9,-5.875 v2(-36.85,-5.925)
  Bottom Copper w0.23: v2@-36.85,-5.744 v2(-36.85,-5.925) -16.45,-5.925 -14.422,-5.925 B1.1@-10.901,-2.404
NetBOOT_1: BOOT.1 R28.2 U5.94 | length 35.7
  Top Copper w0.23: BOOT.1@-68.505,-7.465 -68.505,-9.345 -65.475,-12.375 -58.925,-12.375 -58.5,-11.95 -56.425,-11.95 -55.8,-12.575 -55.8,-15.275 -55.825,-15.3 -55.825,-15.775 v2(-56.675,-16.625) ; v2@-59.527,-27.272 v2(-59.655,-27.144) -59.675,-27.164 -59.675,-27.525 -59,-28.2 U5.94@-58.1,-28.2
  Bottom Copper w0.23: R28.2@-58.275,-27.125 -58.275,-18.225 v2(-56.675,-16.625)
  Bottom Copper w0.5: v2(-59.655,-27.144) -59.646,-27.134 -58.284,-27.134 R28.2@-58.275,-27.125
NetC1_1: C1.1 C4.2 C5.2 L1001.2 U3.1 U3.2 U3.6 | length 32.4
  Top Copper w0.6: v2(-34.927,-68.55) -34.254,-68.55 U3.1@-34.254,-68.574 U3.2@-32.984,-68.574 ; U3.6@-31.714,-63.174 -31.714,-61.689 -31.25,-61.225
  Top Copper w1: C5.2@-36.3,-69.2 -36.15,-69.05 -35.427,-69.05 v2@-34.929,-68.552 ; -31.25,-61.225 -30.85,-60.825 -29.75,-60.825 v2(-29.575,-60.65) ; C1.1@-29.4,-60.825 C1.1@-28.7,-60.125 ; v2(-28,-60.65) C1.1@-27.9,-60.75 ; C4.2@-27.825,-62.85 -27.825,-60.825 C1.1@-27.9,-60.75 ; L1001.2@-22.475,-59.762 -22.475,-60.45 -22.775,-60.75 C1.1@-27.9,-60.75
  Signal Layer 1 w1: v2(-29.575,-60.65) v2(-28,-60.65)
  Signal Layer 2 w1: v2@-34.927,-68.473 -34.927,-65.227 -30.35,-60.65 v2(-28,-60.65)
  Bottom Copper w1: v2(-29.575,-60.65) v2(-28,-60.65)
NetC3_2: C3.2 U8.39 | length 3.4
  Top Copper w0.23: U8.39@-146.762,-58.55 -145.712,-58.55 v1(-145.262,-59)
  Bottom Copper w0.23: v1(-145.262,-59) -145.262,-60.588 C3.2@-145.2,-60.65
NetC7_2: C7.2 L3.2 U2.1 U2.3 | length 7.9
  Top Copper w0.23: U2.3@-175.137,-25.807 -175.137,-25.253 -174.177,-24.294 -174.177,-24.257 ; C7.2@-174.191,-23.428 -174.177,-23.442 -174.177,-24.257 ; U2.1@-173.237,-25.807 -173.237,-25.198 -174.177,-24.257
  Top Copper w0.5: C7.2@-174.191,-23.428 L3.2@-174.191,-20.25
NetC8_1: C8.1 C9.2 C10.2 C137.2 R3.1 U2.5 XG1.6 XG2.4 | length 27.1
  Top Copper w0.23: R3.1@-178.5,-37.5 -178.5,-34.7 -174.391,-30.591 v2(-170.729,-30.591) ; U2.5@-173.237,-28.507 -170.911,-28.507 C8.1@-170.7,-28.718 -170.729,-28.747 v2(-170.729,-30.591) ; XG1.6@-170.8,-36.8 -170.7,-36.7 C10.2@-170.7,-34.2 -170.729,-34.171 C9.2@-170.729,-31.841 v2(-170.729,-30.591) ; XG1.6@-170.8,-36.8 XG1.6@-171,-37 XG1.6@-170.8,-36.8
  Bottom Copper w0.23: C137.2@-170.85,-32.4 -170.796,-32.454 C137.2@-170.729,-32.454 ; v2(-170.729,-30.591) C137.2@-170.729,-32.454 ; XG2.4@-169.204,-32.454 C137.2@-170.729,-32.454
NetC11_2: C11.2 U2.4 | length 1.8
  Top Copper w0.23: C11.2@-176.892,-28.505 -176.891,-28.507 U2.4@-175.137,-28.507
NetC12_1: C12.1 R8.2 | length 3.8
  Bottom Copper w0.23: C12.1@-31.225,-29.05 -31.225,-25.325 R8.2@-31.2,-25.3
NetC13_1: C13.1 U1.8 | length 2
  Bottom Copper w0.23: C13.1@-34.5,-20.4 -34.49,-20.41 U1.8@-32.47,-20.41
NetC15_1: C15.1 C16.1 L9.1 U1.4 U1.6 U1.12 U1.13 | length 25.4
  Bottom Copper w0.6: U1.6@-29.93,-20.41 -29.93,-17.985 -28.66,-16.715 ; C15.1@-29.1,-11.5 -29.01,-11.5 -28.66,-11.85 U1.12@-28.66,-14.06 ; L9.1@-27.75,-26.8 -28.175,-26.8 -28.575,-26.4 -28.575,-23.55 -27.39,-22.365 U1.4@-27.39,-20.41 -27.39,-18.615 -27.375,-18.6 -27.375,-18 -28.66,-16.715 ; C16.1@-27,-11.5 -27.04,-11.5 -27.39,-11.85 U1.13@-27.39,-14.06 U1.12@-28.66,-14.06 ; -28.66,-16.715 U1.12@-28.66,-14.06
NetC17_1: C17.1 C135.2 R45.2 XG1.1 | length 9.2
  Top Copper w0.23: XG1.1@-175.2,-37 v2(-175.2,-34.15)
  Bottom Copper w0.23: C17.1@-179.8,-34.25 C135.2@-177.6,-34.25 ; R45.2@-177.6,-32.55 C135.2@-177.6,-34.25 ; v2(-175.2,-34.15) -177.5,-34.15 C135.2@-177.6,-34.25
NetC25_1: C25.1 U4.20 | length 7.6
  Top Copper w0.23: U4.20@-36.4,-38.3 U4.20@-36.4,-38.2 -30.075,-38.2 C25.1@-29.225,-37.35
NetC25_2: C25.2 C28.2 R6.2 R7.2 | length 7
  Top Copper w0.23: C25.2@-26.4,-38.4 -26,-38.8 C28.2@-24.1,-38.8 ; C28.2@-23.65,-38.675 R6.2@-21.7,-38.675 R7.2@-19.15,-38.675
NetC26_1: C26.1 U4.19 | length 8.1
  Top Copper w0.23: U4.19@-36.4,-38.85 -32.25,-38.85 -31.11,-39.99 -30.11,-39.99 -29.225,-40.875 C26.1@-29.225,-40.975
NetC26_2: C26.2 C27.2 R5.2 R9.2 | length 8.5
  Top Copper w0.23: C26.2@-26.4,-41.7 -25.95,-41.25 C26.2@-25.675,-40.975 ; C26.2@-26.225,-40.975 C26.2@-25.675,-40.975 ; C26.2@-25.45,-40.75 C26.2@-25.675,-40.975 ; R9.2@-19.175,-40.85 -19.275,-40.75 C27.2@-21.625,-40.75 -21.65,-40.775 R5.2@-23.7,-40.775 -23.9,-40.975 C26.2@-25.675,-40.975
NetC29_1: C29.1 R10.1 | length 5
  Top Copper w0.23: R10.1@-33.275,-42.05 -31.4,-42.05 -30.1,-43.35 -30.1,-44.53 C29.1@-30.118,-44.548 ; C29.1@-30.718,-43.948 C29.1@-30.695,-43.925
NetC29_2: C29.2 C30.2 D38.1 J2.2 MIC_IN2.2 R11.1 R12.2 | length 40.3
  Top Copper w0.23: R11.1@-33.2,-46.1 -33.1,-46.1 -31.652,-47.548 C29.2@-30.118,-47.548 -30.018,-47.548 -29.055,-46.585 -28.06,-46.585 C30.2@-27.525,-46.05 R12.2@-25.675,-46.05 -24.6,-46.05 -23.75,-45.2 -19.65,-45.2 -18.845,-46.005 MIC_IN2.2@-18.845,-46.965
  Signal Layer 2 w0.23: MIC_IN2.2@-18.845,-46.965 -17.035,-48.775 -15.8,-48.775 -14.275,-50.3 -14.275,-55.125 -11.7,-57.7 J2.2@-9.06,-57.7
  Bottom Copper w0.381: D38.1@-15.1,-57.725 -15.075,-57.7 J2.2@-9.06,-57.7
NetC31_2: C31.2 C32.1 U4.16 | length 8.2
  Top Copper w0.23: C32.1@-38.15,-43.9 -38.3,-43.75 -38.3,-41.1 -38,-40.8 U4.16@-36.4,-40.8 ; C32.1@-38.05,-44 -37.185,-44.865 -35.885,-44.865 C31.2@-35.35,-45.4
NetC33_1: C33.1 U4.9 | length 16.9
  Top Copper w0.23: U4.9@-43.6,-38.2 -43.575,-38.175 -40.55,-38.175 v2(-40.525,-38.15)
  Signal Layer 1 w0.23: v2(-40.525,-38.15) -41.569,-37.106 -41.569,-35.294 -34.328,-28.053 v2(-34.328,-28.35)
NetC33_2: C33.2 D40.1 J3.2 R15.2 | length 29.3
  Top Copper w0.23: C33.2@-29.573,-27.4 -28.138,-27.4 -27.213,-28.325 R15.2@-23.075,-28.325 -22.9,-28.5 -21.408,-28.5 -16.858,-33.05 J3.2@-9.65,-33.05
  Bottom Copper w0.381: D40.1@-15.4,-34.65 -13.45,-34.65 -11.85,-33.05 J3.2@-9.06,-33.05
NetC34_1: C34.1 U4.10 | length 15.8
  Top Copper w0.23: U4.10@-43.6,-38.85 -41.125,-38.85 -40.55,-39.425 v2(-40.55,-39.6) ; v2(-34.328,-31.644) -32.744,-31.644 C34.1@-32.6,-31.5
  Signal Layer 1 w0.23: v2(-40.55,-39.6) -34.328,-33.378 v2(-34.328,-31.644)
NetC34_2: C34.2 D39.1 J3.3 R14.2 | length 30.4
  Top Copper w0.23: C34.2@-27.5,-31.75 C34.2@-27.4,-31.85 ; C34.2@-27.3,-31.6 -21.2,-31.6 J3.3@-9.75,-43.05
  Bottom Copper w0.381: D39.1@-15.175,-40.7 -15.128,-40.747 -15.128,-42.122 -14.2,-43.05 J3.3@-9.06,-43.05 J3.3@-9.146,-42.965
NetC35_1: C35.1 R55.2 | length 3.9
  Bottom Copper w0.2: C35.1@-36.35,-29.075 R55.2@-36.35,-25.175
NetC36_2: C36.2 R44.2 U8.35 | length 5
  Top Copper w0.2: R44.2@-148.8,-66.05 -148.8,-64.05 C36.2@-148.75,-64 U8.35@-148.75,-61.038